# Altium PCB LPCB235R0.PcbDoc (part 6 of 7)
Units mm, origin at the board's own origin, x right, y up, seen from the top; angles counter-clockwise.
Board outline 134 x 120 mm, 6 copper layers (Top Layer, IP1(DGND), MidLayer1, MidLayer2, IP2(D3V3), Bottom Layer), stack 1.623 mm thick; 472 components, 425 nets, 2110 pads, 1126 vias.
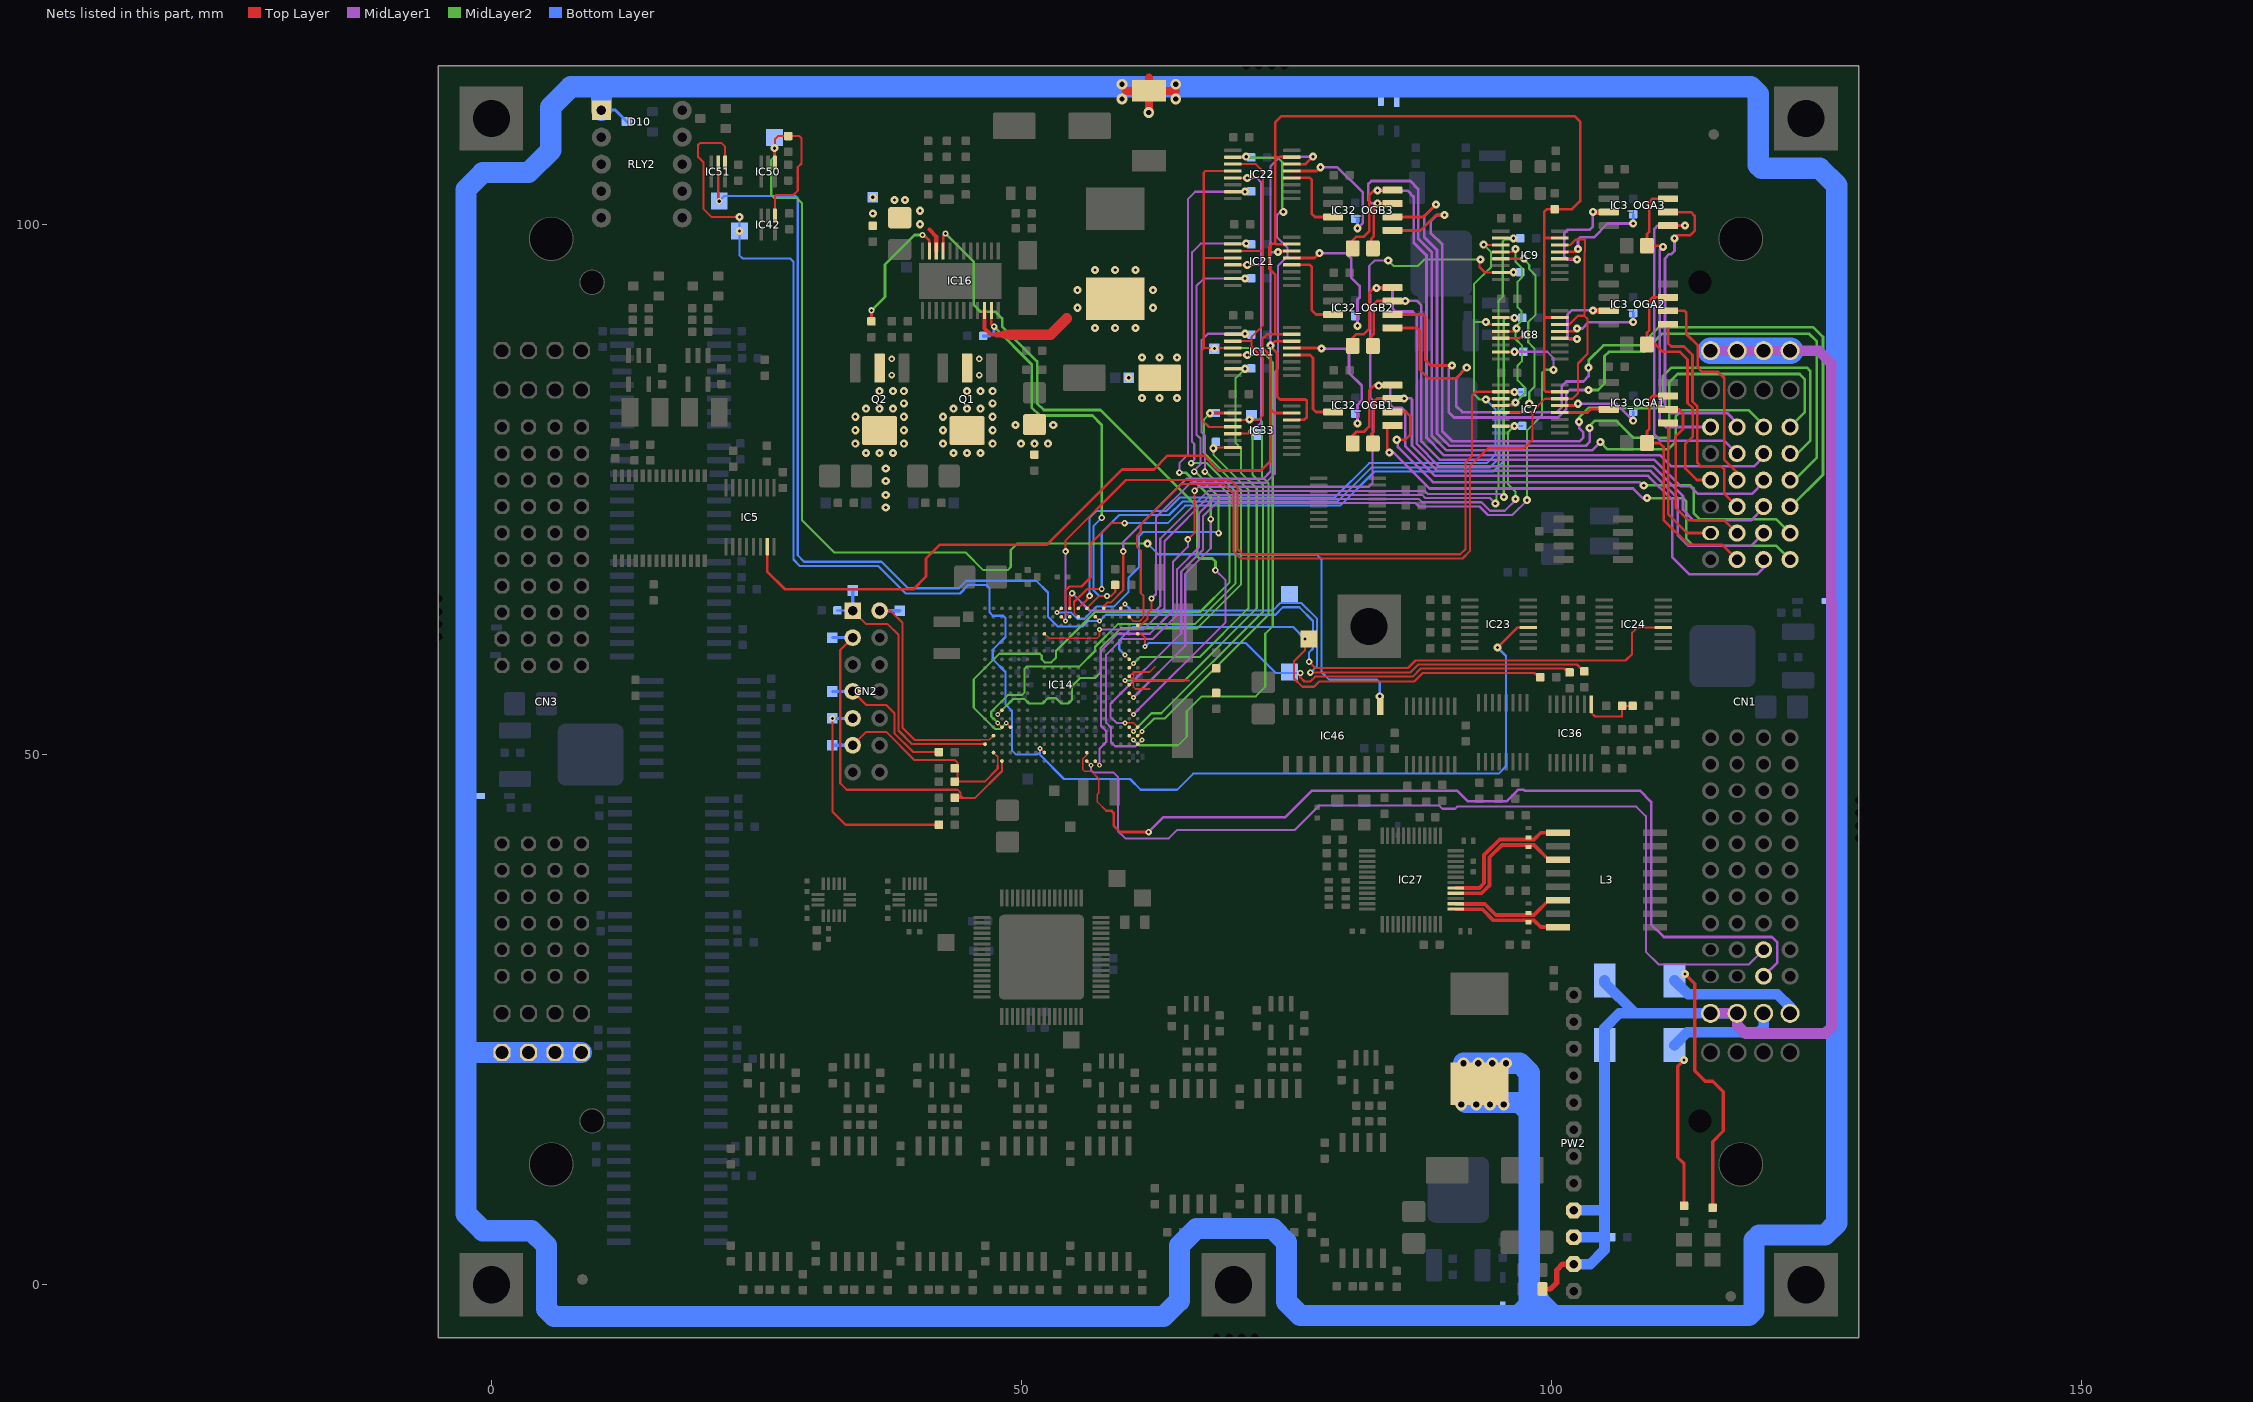
[diagram p10: the nets of this part, all layers, seen from the top]

## Via types
v1: diameter 0.762, hole 0.3, Top Layer to Bottom Layer, tented both sides, 756 vias
v2: diameter 0.61, hole 0.3, Top Layer to Bottom Layer, tented both sides, 135 vias
v3: diameter 0.457, hole 0.2, Top Layer to Bottom Layer, tented both sides, 98 vias
v4: diameter 1.016, hole 0.5, Top Layer to Bottom Layer, tented both sides, 57 vias
v5: diameter 0.6, hole 0.3, Top Layer to Bottom Layer, 30 vias
v6: diameter 0.559, hole 0.3, Top Layer to Bottom Layer, tented both sides, 24 vias
v7: diameter 0.6, hole 0.3, Top Layer to Bottom Layer, tented both sides, 18 vias
v8: diameter 1.1, hole 0.6, Top Layer to Bottom Layer, 8 vias

## Nets (pads, with @x,y where several pads share a name; then routed paths per layer and width w, separated by ;. In a path a pad name is that pad's centre, name@x,y a point inside that pad or via, vN(x,y) a via of type N, cw(c..) or ccw(c..) an arc to the next point about the centre after c; other vN are vias at no path point) (continued)
OPTONCDTA_GRY1: CN1.2B_A IC3_OGA1.6 | length 17.5
  Top Layer w0.25: IC3_OGA1.6@111,82.565 112.035,82.565 112.4,82.2 112.4,80.7 111.7,80 111.7,73.3 112.9,72.1 116.3,72.1 CN1.2B_A@117.5,70.9
OPTONCDTA_GRY2: CN1.2D_A IC3_OGA2.6 | length 20.4
  Top Layer w0.25: IC3_OGA2.6@111,91.865 112.535,91.865 112.7,91.7 112.7,89.7 113.797,88.603 113.797,87.599 113.8,87.596 113.8,86.5 114.2,86.1 115.7,86.1 116.297,85.503 116.297,83.899 116.3,83.896 116.3,77.8 117.5,76.6 CN1.2D_A@117.5,75.9
OPTONCDTA_GRY3: CN1.2F_A IC3_OGA3.6 | length 30.7
  Top Layer w0.25: IC3_OGA3.6@111,101.165 113.135,101.165 113.5,100.8 113.5,99.4 113.1,99 111.9,99 v1@111.5,98.6
  MidLayer1 w0.25: v1(111.6,98.7) 111.6,97.5 111.3,97.2 111.1,97.2 110.7,96.8 110.7,82.7 111.2,82.2 116.6,82.2 117.5,81.3 CN1.2F_A@117.5,80.9
OPTONCDTA_PNK1: CN1.1B_A IC3_OGA1.5 | length 13.3
  Top Layer w0.25: IC3_OGA1.5@111,81.295 111,72.7 112.8,70.9 CN1.1B_A@115,70.9
OPTONCDTA_PNK2: CN1.2C_A IC3_OGA2.5 | length 21.7
  Top Layer w0.25: IC3_OGA2.5@111,90.595 111,88.8 111.3,88.5 112.5,88.5 113.3,87.7 113.3,83.31 113.756,82.854 113.756,77.544 114.1,77.2 116,77.2 116.3,76.9 116.3,74.6 CN1.2C_A@117.5,73.4
OPTONCDTA_PNK3: CN1.2E_A IC3_OGA3.5 | length 32.6
  Top Layer w0.25: IC3_OGA3.5@111.005,99.9 v1(112.6,99.9)
  MidLayer1 w0.25: v1(112.6,99.9) 110,99.9 109.7,99.6 109.7,80.2 110.3,79.6 116.3,79.6 CN1.2E_A@117.5,78.4
OPTONCDTA_RX1: IC7.13 R39_OGA1.1 | length 8.5
  Top Layer w0.25: IC7.13@100.775,82.925 102.325,82.925 v1(102.5,83.1)
  MidLayer1 w0.25: v1(102.5,83.1) 106.1,83.1 v1(107.7,81.5)
  Bottom Layer w0.25: v1(107.7,81.5) R39_OGA1.1@107.7,82.35
OPTONCDTA_RX2: IC8.13 R39_OGA2.1 | length 8.1
  Top Layer w0.25: IC8.13@100.775,89.925 102.125,89.925 v1(102.4,90.2)
  MidLayer1 w0.25: v1(102.4,90.2) 102.9,90.2 103.5,90.8 v1(107.7,90.8)
  Bottom Layer w0.25: v1(107.7,90.8) R39_OGA2.1@107.7,91.65
OPTONCDTA_RX3: IC9.13 R39_OGA3.1 | length 9.4
  Top Layer w0.25: IC9.13@100.775,97.425 102.225,97.425 v1(102.5,97.7)
  MidLayer1 w0.25: v1(102.5,97.7) 102.5,98.6 102.7,98.8 104,98.8 105.3,100.1 v1(107.7,100.1)
  Bottom Layer w0.25: v1(107.7,100.1) R39_OGA3.1@107.7,100.95
OPTONCDTA_TX1: IC3_OGA1.3 IC7.12 | length 4.7
  Top Layer w0.25: IC7.12@100.775,82.275 103.375,82.275 103.665,82.565 IC3_OGA1.3@105.4,82.565
OPTONCDTA_TX2: IC3_OGA2.3 IC8.12 | length 8.8
  Top Layer w0.25: IC8.12@100.775,89.275 102.325,89.275 v1(102.4,89.2)
  Top Layer w0.5: v1(103.9,91.9) 103.935,91.865 IC3_OGA2.3@105.4,91.865
  MidLayer1 w0.25: v1(102.4,89.2) 101.7,89.2 101.5,89.4 101.5,91.5 101.9,91.9 v1(103.9,91.9)
OPTONCDTA_TX3: IC3_OGA3.3 IC9.12 | length 11
  Top Layer w0.25: IC9.12@100.775,96.775 102.325,96.775 v1(102.4,96.7)
  Top Layer w0.5: v1(103.9,101.2) 103.935,101.165 IC3_OGA3.3@105.4,101.165
  MidLayer1 w0.25: v1(102.4,96.7) 101.5,96.7 101.2,97 101.2,99.2 101.5,99.5 103.6,99.5 103.9,99.8 v1(103.9,101.2)
OPTONCDTA_YEL1: CN1.2A_A IC3_OGA1.7 R21_OGA1.2 | length 23.2
  Top Layer w0.25: IC3_OGA1.7@111,83.835 109.535,83.835 109.228,83.528 109.228,80.728 109,80.5 R21_OGA1.2@109,79.4 110.2,79.4 110.572,79.028 110.572,72.128 112.9,69.8 116.1,69.8 CN1.2A_A@117.5,68.4
OPTONCDTA_YEL2: CN1.1D_A IC3_OGA2.7 R21_OGA2.2 | length 24.2
  Top Layer w0.25: IC3_OGA2.7@111,93.135 109.535,93.135 109.228,92.828 109.228,90.028 109,89.8 R21_OGA2.2@109,88.7 109.8,88.7 110.5,88 112.1,88 112.828,87.272 112.828,83.177 113.328,82.677 113.328,80.028 112.628,79.328 112.628,76.972 113.7,75.9 CN1.1D_A@115,75.9
OPTONCDTA_YEL3: CN1.1F_A IC3_OGA3.7 R21_OGA3.2 | length 29.2
  Top Layer w0.25: v1(110.5,97.9) 110.4,98 R21_OGA3.2@109,98 109,99.1 109.228,99.328 109.228,102.128 109.535,102.435 IC3_OGA3.7@111,102.435
  MidLayer1 w0.25: v1(110.5,97.9) 110.2,97.6 110.2,81.5 110.8,80.9 CN1.1F_A@115,80.9
OPTONCDTB_GRN1: CN1.3A_A IC32_OGB1.8 R62_OGB1.1 | length 59.5
  Top Layer w0.25: R62_OGB1.1@81.1,79.155 81.1,79.955 81.6,80.455 82.3,80.455 82.8,80.955 82.8,84.355 83.305,84.86 IC32_OGB1.8@85,84.86
  MidLayer1 w0.25: v1(83.7,84.8) 84.6,84.8 84.8,84.6 84.8,83 85.1,82.7 85.9,82.7 86.2,82.4 86.2,79.1 89,76.3 109.1,76.3 111.4,74 111.4,68.605 113.005,67 119.4,67 120,67.6 CN1.3A_A@120,68.4
OPTONCDTB_GRN2: CN1.3C_A IC32_OGB2.8 R62_OGB2.1 | length 63.7
  Top Layer w0.25: R62_OGB2.1@81.1,88.355 81.1,89.155 81.6,89.655 82.3,89.655 82.8,90.155 82.8,93.555 83.305,94.06 IC32_OGB2.8@85,94.06
  MidLayer1 w0.25: v1(83.5,94) 84.8,94 85,93.8 85,92.1 85.3,91.8 86.9,91.8 87.272,91.428 87.272,79.328 89.4,77.2 109.6,77.2 112.4,74.4 112.4,73.1 113.4,72.1 118.8,72.1 120,73.3 CN1.3C_A@120,73.4
OPTONCDTB_GRN3: CN1.3E_A IC32_OGB3.8 R62_OGB3.1 | length 69.2
  Top Layer w0.25: R62_OGB3.1@81.1,97.555 81.1,98.355 81.6,98.855 82.3,98.855 82.8,99.355 82.8,102.755 83.305,103.26 IC32_OGB3.8@85,103.26
  MidLayer1 w0.25: v1(83.6,103.2) 86.4,103.2 87,102.6 87,98.3 88.2,97.1 88.2,79.9 89.872,78.228 110.267,78.228 111.295,77.2 119.1,77.2 120,78.1 CN1.3E_A@120,78.4
OPTONCDTB_GRY1: CN1.4B_A IC32_OGB1.6 | length 47.5
  Top Layer w0.25: IC32_OGB1.6@85,82.315 86.285,82.315 86.7,81.9 86.7,80.2 86.2,79.7 v1(85.4,79.7)
  MidLayer1 w0.25: v1@85.5,79.6 85.5,79 88.8,75.7 108.3,75.7 108.6,75.4 v1(108.7,75.4)
  MidLayer2 w0.25: v1@108.6,75.4 v1(108.7,75.4) 113.1,75.4 113.4,75.1 113.4,72.8 114,72.2 121.2,72.2 CN1.4B_A@122.5,70.9
OPTONCDTB_GRY2: CN1.4D_A IC32_OGB2.6 | length 69.8
  Top Layer w0.25: IC32_OGB2.6@85,91.515 87.885,91.515 88.1,91.3 88.1,87.2 88.6,86.7 v1(90.6,86.7)
  MidLayer1 w0.25: v1(90.6,86.7) 90.3,86.4 90.3,82.3 90.8,81.8 100.6,81.8 101.4,82.6 101.4,84.1 101.7,84.4 v1(103.5,84.4)
  MidLayer2 w0.25: v1(103.5,84.4) 104.4,84.4 105,85 105,87.6 105.4,88 108.7,88 110.4,89.7 124.3,89.7 125,89 125,78 122.9,75.9 CN1.4D_A@122.5,75.9
OPTONCDTB_GRY3: CN1.4F_A IC32_OGB3.6 | length 75.7
  Top Layer w0.25: IC32_OGB3.6@85,100.715 87.915,100.715 v1(89.1,101.9)
  MidLayer1 w0.25: v1(89.1,101.9) 88,100.8 88,98.8 89.2,97.6 89.2,80.3 90.372,79.128 103.228,79.128 103.6,79.5 v1(103.6,80.8)
  MidLayer2 w0.25: v1(103.6,80.8) 103.6,81 104.1,81.5 106.1,81.5 107.7,79.9 111.1,79.9 111.1,85.1 111.9,85.9 123.4,85.9 123.9,85.4 123.9,82.3 CN1.4F_A@122.5,80.9
OPTONCDTB_PNK1: CN1.4A_A IC32_OGB1.5 | length 46.9
  Top Layer w0.25: v1(84.7,78.5) 84.5,78.7 84.5,80.7 84.845,81.045 IC32_OGB1.5@85,81.045
  MidLayer1 w0.25: v1(84.7,78.5) 85.1,78.5 88.5,75.1 107.7,75.1 108.6,74.2 v1(109,74.2)
  MidLayer2 w0.25: v1@109.1,74.2 112.4,74.2 112.7,73.9 112.7,70.4 113.4,69.7 121.2,69.7 CN1.4A_A@122.5,68.4
OPTONCDTB_PNK2: CN1.4C_A IC32_OGB2.5 | length 73.5
  Top Layer w0.25: IC32_OGB2.5@85,90.245 87.355,90.245 87.6,90 87.6,86.3 88.4,85.5 91,85.5 v1(92,86.5)
  MidLayer1 w0.25: v1(92,86.5) 91,85.5 91,82.9 91.6,82.3 100.495,82.3 100.972,82.777 100.972,84.772 101.4,85.2 103,85.2 103.5,85.7 v1(103.5,86.5)
  MidLayer2 w0.25: v1(103.5,86.5) 103.5,87.2 104.9,88.6 108.4,88.6 110.1,90.3 124.7,90.3 125.6,89.4 125.6,76.4 122.6,73.4 CN1.4C_A@122.5,73.4
OPTONCDTB_PNK3: CN1.4E_A IC32_OGB3.5 | length 77.5
  Top Layer w0.25: IC32_OGB3.5@85,99.445 87.645,99.445 89.1,100.9 v1(89.9,100.9)
  MidLayer1 w0.25: v1(89.9,100.9) 89.2,100.9 88.6,100.3 88.6,99.2 89.7,98.1 89.7,80.5 90.644,79.556 102.656,79.556 103,79.9 103,80.4 102.6,80.8 v1(102.6,81.4)
  MidLayer2 w0.25: v1(102.6,81.4) 102.6,81.8 103.5,82.7 109.9,82.7 110.5,83.3 110.5,85.7 111.3,86.5 124.1,86.5 124.4,86.2 124.4,79.6 123.2,78.4 CN1.4E_A@122.5,78.4
OPTONCDTB_RX1: IC11.13 R63_OGB1.1 | length 13.7
  Top Layer w0.25: IC11.13@75.5,88.35 78.25,88.35 v1(78.3,88.3)
  MidLayer1 w0.25: v1(78.3,88.3) 80.5,88.3 80.9,87.9 80.9,86 82.1,84.8 82.1,83.4 81.7,83 v1(81.7,81.25)
  Bottom Layer w0.25: v1(81.7,81.25) R63_OGB1.1@81.7,82.1
OPTONCDTB_RX2: IC21.13 R63_OGB2.1 | length 13.6
  Top Layer w0.25: IC21.13@75.5,96.85 77.65,96.85 v1(78.1,97.3)
  MidLayer1 w0.25: v1(78.1,97.3) 80.6,97.3 81.1,96.8 81.1,95 81.9,94.2 81.9,93.1 81.7,92.9 v1(81.7,90.45)
  Bottom Layer w0.25: v1(81.7,90.45) R63_OGB2.1@81.7,91.3
OPTONCDTB_RX3: IC22.13 R63_OGB3.1 | length 12.2
  Top Layer w0.25: IC22.13@75.5,105.05 77.85,105.05 v1(78.2,105.4)
  MidLayer1 w0.25: v1(78.2,105.4) 79.8,105.4 82.2,103 82.2,100.15 v1(81.7,99.65)
  Bottom Layer w0.25: v1(81.7,99.65) R63_OGB3.1@81.7,100.5
OPTONCDTB_TX1: IC11.12 IC32_OGB1.3 | length 8.9
  Top Layer w0.25: IC11.12@75.5,87.7 77.2,87.7 77.5,87.4 77.5,82.6 77.785,82.315 IC32_OGB1.3@79.4,82.315
OPTONCDTB_TX2: IC21.12 IC32_OGB2.3 | length 8.2
  Top Layer w0.25: IC21.12@75.5,96.2 77.2,96.2 77.4,96 77.4,91.9 77.785,91.515 IC32_OGB2.3@79.4,91.515
OPTONCDTB_TX3: IC22.12 IC32_OGB3.3 | length 7.3
  Top Layer w0.25: IC22.12@75.5,104.4 77.2,104.4 77.4,104.2 77.4,101 77.685,100.715 IC32_OGB3.3@79.4,100.715
OPTONCDTB_YEL1: CN1.3B_A IC32_OGB1.7 R62_OGB1.2 | length 51
  Top Layer w0.25: R62_OGB1.2@83,79.155 83,80.255 83.228,80.483 83.228,83.283 83.535,83.59 IC32_OGB1.7@85,83.59
  MidLayer1 w0.25: v1@86,83.6 86.744,83.6 86.844,83.5 86.844,79.151 89.223,76.772 109.328,76.772 111.9,74.2 111.9,70.7 112.9,69.7 118.8,69.7 CN1.3B_A@120,70.9
  other v1: 86.1,83.6
OPTONCDTB_YEL2: CN1.3D_A IC32_OGB2.7 R62_OGB2.2 | length 55.6
  Top Layer w0.25: R62_OGB2.2@83,88.355 83,89.455 83.228,89.683 83.228,92.483 83.535,92.79 IC32_OGB2.7@85,92.79
  MidLayer1 w0.25: v1(86.2,92.8) 87.3,92.8 87.7,92.4 87.7,79.6 89.5,77.8 109.7,77.8 112.2,75.3 113.1,75.3 113.8,74.6 118.9,74.6 120,75.7 CN1.3D_A@120,75.9
OPTONCDTB_YEL3: CN1.3F_A IC32_OGB3.7 R62_OGB3.2 | length 73.8
  Top Layer w0.25: R62_OGB3.2@83,97.555 83,98.655 83.228,98.883 83.228,101.683 83.535,101.99 IC32_OGB3.7@85,101.99
  MidLayer1 w0.25: v1(83.6,102) 83,102 82.7,102.3 82.7,103.8 83,104.1 86.7,104.1 87.428,103.372 87.428,98.672 88.7,97.4 88.7,80.1 90.1,78.7 103.8,78.7 v1(104.6,79.5)
  MidLayer2 w0.25: v1(104.6,79.5) 105.3,78.8 111,78.8 111.7,79.5 111.7,81.9 112.3,82.5 118.6,82.5 120,81.1 CN1.3F_A@120,80.9
P5V: C64.1 CT10.1 IC16.10 TP16.1 | length 2.3
  Top Layer w0.381: 41.319,99.521 41.965,98.875 IC16.10@41.965,97.495
  other v1: 40.43,100.029 35.985,101.045 40.43,101.299 38.017,102.315 39.033,102.315 35.985,102.569
P5V3: C62.2 CE5.1 CT9.1 IC16.22 L2.2 Q1.2 Q1.4 Q2.2 Q2.4 TP14.1 | length 10.3
  Top Layer w0.381: IC16.22@46.529,91.895 46.529,90.196 47.11,89.615 47.669,89.615
  Top Layer w0.508: 47.669,89.615 48.304,89.615
  Top Layer w0.762: 48.304,89.615 48.939,89.615
  Top Layer w1.016: 48.939,89.615 52.749,89.615 54.273,91.139
  other v1: 37.2,73.3 37.2,74.5 37.2,75.8 37.2,77 35.35,78.439 36.62,78.439 37.89,78.439 43.605,78.439 44.875,78.439 46.145,78.439 34.334,79.328 38.906,79.328 42.589,79.328 47.288,79.328 49.955,79.328 51.225,79.328 52.495,79.328 34.334,80.598 38.906,80.598 42.589,80.598 47.288,80.598 49.447,81.106 53.003,81.106 34.334,81.868 38.906,81.868 42.589,81.868 47.288,81.868 35.35,82.63 36.62,82.63 37.89,82.63 43.605,82.63 44.875,82.63 46.145,82.63 38.906,83.138 47.288,83.138 61.385,83.646 63.036,83.646 64.687,83.646 36.62,84.281 37.89,84.281 38.906,84.281 44.875,84.281 46.145,84.281 47.288,84.281 60.115,85.551 61.385,87.456 63.036,87.456 64.687,87.456 56.94,90.25 58.845,90.25 60.75,90.25 55.289,92.155 62.401,92.155 55.289,93.806 62.401,93.806 56.94,95.711 58.845,95.711 60.75,95.711
  other v2: 37.763,85.805 46.018,85.805 37.763,87.329 46.018,87.329
P12V_HOT: CN3.1H_A CN3.2H_A CN3.3H_A CN3.4H_A D1.2 D2.2 D4.2 D6.2 D7.2 D10.3 D11.2 D12.2 D17.2 L4.2 RLY2.1 | length 558.8
  Top Layer w0.762: 59.861,112.602 59.863,112.6 D4.2@62.02,112.6 ; v4(62.02,110.57) D4.2@62.02,112.6 ; 62.02,113.87 D4.2@62.02,112.6 ; 64.558,112.6 D4.2@62.02,112.6
  Bottom Layer w0.3: RLY2.1@10.4,110.79 11.71,110.79 D10.3@12.8,109.7
  Bottom Layer w2: -2.4,9.4 -2.4,6.7 -0.8,5.1 3.8,5.1 5.2,3.7 5.2,-2.3 5.9,-3 63.4,-3 64.9,-1.5 64.9,3.7 66.5,5.3 73.7,5.3 75,4 75,-1.6 76.3,-2.9 96.9,-2.9 ; -2.4,9.5 -2.4,21.9 ; CN3.1H_A@8.5,21.9 -2.4,21.9 ; RLY2.1@10.39,110.78 10.4,110.79 10.4,113 ; v8(91.7,20.9) 97,20.9 97.9,20 97.9,16.3 ; v8@91.9,17.2 97,17.2 97.9,16.3 ; -2.4,21.9 D11.2@-2.4,59.4 -2.4,103.3 -0.8,104.9 3.5,104.9 5.6,107 5.6,111.1 7.5,113 10.4,113 ; 10.4,113 118.8,113 119.5,112.3 119.5,105.6 119.8,105.3 125.3,105.3 126.9,103.7 126.9,5.8 125.8,4.7 119.6,4.7 119.1,4.2 119.1,-2.4 118.6,-2.9 100.2,-2.9 ; 96.9,-2.9 97.9,-1.9 97.9,-0.6 ; 96.9,-2.9 100.2,-2.9 ; 97.9,-0.6 100.2,-2.9 ; 97.9,-0.6 97.9,16.3
  other v4: 59.48,111.84 64.56,111.84 59.48,113.237 64.56,113.237
  other v8: 91.5,17 92.9,17 94.2,17 95.5,17 93.1,20.9 94.4,20.9 95.7,20.9
P24V_HOT: C71.1 C72.1 CN1.1H_A CN1.2H_A CN1.3H_A CN1.3L_B CN1.4H_A CN1.4L_B D3.1 D9.1 PW2.2 PW2.3 PW2.4 | length 147.3
  Top Layer w0.5: C71.1@99.15,-0.4 99.9,-0.4 100.5,0.2 100.5,1.4 101.04,1.94 PW2.2@102.1,1.94
  MidLayer1 w1: CN1.4L_B@115,25.6 CN1.3L_B@117.5,25.6 117.5,24.5 118.3,23.7 125.8,23.7 126.428,24.328 126.428,64.271 126.4,64.298 126.4,86.9 125.2,88.1 CN1.4H_A@122.5,88.1 CN1.3H_A@120,88.1 CN1.2H_A@117.5,88.1 CN1.1H_A@115,88.1
  Bottom Layer w1: PW2.2@102.1,1.94 103.64,1.94 105,3.3 105,4.5 ; PW2.3@102.1,4.48 104.98,4.48 105,4.5 ; PW2.4@102.1,7.02 104.92,7.02 105,7.1 ; D3.1@105,28.7 105,28.5 107.9,25.6 ; CN1.3L_B@117.5,25.6 CN1.4L_B@115,25.6 107.9,25.6 ; 105,4.5 105,7.1 ; 105,7.1 D9.1@105,22.6 105,24.2 106.4,25.6 107.9,25.6
  Bottom Layer w2.5: CN1.1H_A@115,88.1 CN1.2H_A@117.5,88.1 CN1.3H_A@120,88.1 CN1.4H_A@122.5,88.1
P24V_HOT_A: CN1.1L_B D3.2 R6.2 | length 36.9
  Top Layer w0.3: v1(112.6,29.3) 113.5,28.4 113.5,20.2 114.5,19.2 115.2,19.2 116.2,18.2 116.2,14.5 115.2,13.5 R6.2@115.2,7.25
  Bottom Layer w1: D3.2@111.6,28.7 112.9,27.4 121.3,27.4 122.5,26.2 CN1.1L_B@122.5,25.6
P24V_HOT_B: CN1.2L_B D9.2 R10.2 | length 24.7
  Top Layer w0.3: R10.2@112.5,7.45 112.5,11.4 111.9,12 111.9,20.6 v1(112.5,21.2)
  Bottom Layer w1: D9.2@111.6,22.6 112.8,23.8 119.5,23.8 120,24.3 CN1.2L_B@120,25.6
PI_RX_IN: CN1.2J_B IC14.A7 | length 85.9
  Top Layer w0.152: IC14.A7@56.165,49.395 v3(56.565,48.995)
  MidLayer1 w0.2: v3(56.565,48.995) 56.565,48.535 56.8,48.3 58.7,48.3 59.1,47.9 59.1,42.8 59.8,42.1 63.9,42.1 64.7,42.9 75.8,42.9 78.1,45.2 89.4,45.2 89.7,44.9 90.902,44.9 91.102,45.1 108,45.1 108.9,44.2 108.9,31.4 110.1,30.2 118.6,30.2 CN1.2J_B@120,31.6
PI_TX_OUT: CN1.2K_B IC14.B7 | length 90.8
  Top Layer w0.152: IC14.B7@56.165,50.195 56.165,49.959 55.766,49.56 55.766,49.23 55.798,49.198 55.798,48.602 55.949,48.451 56.57,48.451 57.3,47.721 57.3,46.4 57.169,46.269 57.169,45.531 58,44.7
  Top Layer w0.25: 58,44.7 58.5,44.7 58.7,44.5 58.7,43.3 59.3,42.7 v2(62,42.7)
  MidLayer1 w0.25: v2(62,42.7) 63.4,44.1 74.9,44.1 77.4,46.6 91.1,46.6 92.1,45.6 95.733,45.6 96.817,46.684 97.383,46.684 97.467,46.6 108.336,46.6 109.4,45.536 109.4,34 110.6,32.8 120.8,32.8 121.3,32.3 121.3,30.4 CN1.2K_B@120,29.1
PMIC_ENABLE: IC14.G2 IC16.9 | length 66.8
  Top Layer w0.152: IC14.G2@60.165,54.195 v3(60.565,53.795)
  Top Layer w0.254: IC16.9@42.615,97.495 42.615,98.912 v6(42.843,99.14)
  MidLayer1 w0.203: v3(60.565,53.795) 69.259,62.489 69.259,66.441 v2(68.3,67.4)
  MidLayer2 w0.254: v6(42.843,99.14) 45.51,96.473 45.51,92.409 46.145,91.774 47.542,91.774 48.177,91.139 48.177,90.377 51.479,87.075 51.479,83.138 52.114,82.503 57.448,82.503 66.592,73.359 66.592,68.708 66.8,68.5 68,68.5 68.3,68.2 v2(68.3,67.4)
PMIC_IGN_STATE: IC16.11 R25.2 | length 12.8
  Top Layer w0.254: R25.2@35.858,90.873 v2(35.858,91.901) ; IC16.11@41.315,97.495 41.315,98.509 40.938,98.886 ; 40.938,98.886 40.684,98.886 v6(40.684,99.013) 40.811,99.013 40.938,98.886
  MidLayer2 w0.254: v2(35.858,91.901) 37.128,93.171 37.128,96.219 39.922,99.013 v6(40.684,99.013)
PUSH_INTLK_A: IC14.B12 IC23.12 IC51.1 TP48.1 | length 154.9
  Top Layer w0.152: v3(51.765,50.595) IC14.B12@52.165,50.195
  Top Layer w0.203: IC51.1@22.05,105.825 22.05,107.35 21.7,107.7 19.7,107.7 19.5,107.5 19.5,106.4 20,105.9 20,101.5 20.8,100.7 v1(23.4,100.7) ; v1(94.9,60.1) 96.785,61.985 IC23.12@97.815,61.985
  Bottom Layer w0.203: v1(23.4,100.7) 23.4,97.1 23.7,96.8 28.2,96.8 28.5,96.5 28.5,68.4 29.1,67.8 36.5,67.8 39.1,65.2 44.2,65.2 45,66 46.7,66 47,65.7 47,63.4 47.3,63.1 48.3,63.1 48.5,62.9 48.5,61.1 47.3,59.9 47.3,59 48.5,57.8 48.5,54.742 49.1,54.142 49.1,50.4 49.5,50 51.5,50 51.765,50.265 ; v3(51.765,50.595) 51.765,50.265 ; v1(94.9,60.1) 95.7,59.3 95.7,48.9 95.013,48.213 66.211,48.213 64.687,46.689 61.258,46.689 60.242,47.705 54.019,47.705 51.765,49.959 51.765,50.265
  other v1: 23.4,99.4
PUSH_INTLK_B: IC14.V6 IC24.12 IC51.2 TP49.1 | length 140.6
  Top Layer w0.152: IC14.V6@56.965,62.995 v3(57.365,62.595)
  Top Layer w0.203: IC51.2@21.4,105.825 21.4,102.3 v2(21.5,102.2) ; v2(77.133,58.754) 77.717,58.17 86.455,58.17 87.166,58.881 106.981,58.881 107.6,59.5 107.6,61.5 108.085,61.985 IC24.12@110.515,61.985
  Bottom Layer w0.203: v2(21.5,102.2) 22,102.7 28.7,102.7 28.9,102.5 28.9,68.8 29.5,68.2 36.8,68.2 39.3,65.7 44.1,65.7 44.8,66.4 51.4,66.4 52.5,65.3 52.5,63 53.413,62.087 55.787,62.087 56.295,62.595 v3(57.365,62.595) 57.969,63.199 73.958,63.199 74.659,63.9 76.2,63.9 77.5,62.6 77.5,60.01 77.133,59.643 v2(77.133,58.754)
REAR_SIG_Q2: IC36.1 R67.2 R68.2 | length 5.8
  Top Layer w0.203: IC36.1@103.75,54.775 103.75,53.95 104.1,53.6 106.6,53.6 106.65,53.65 R68.2@106.65,54.6 R67.2@107.65,54.6
REFLECT_0: IC14.W3 R69.1 TP24.1 | length 51.6
  Top Layer w0.152: IC14.W3@59.365,63.795 v3(59.765,64.195)
  Top Layer w0.203: v2(77.26,57.738) 86.658,57.738 87.42,58.5 102.4,58.5 R69.1@103.1,57.8
  Bottom Layer w0.203: v3(59.765,64.195) 60.38,63.58 73.704,63.58 74.424,64.3 76.4,64.3 77.895,62.805 77.895,58.373 v2(77.26,57.738)
REFLECT_1: IC14.T1 R73.1 TP25.1 | length 44.3
  Top Layer w0.203: IC14.T1@60.965,61.395 61.284,61.395 61.665,61.014 v3(61.665,60.195) ; v2(76.3,57.7) 76.3,57.3 76.7,56.9 77.248,56.9 77.705,57.357 86.912,57.357 87.674,58.119 101.181,58.119 R73.1@101.7,57.6
  Bottom Layer w0.203: v3(61.665,60.195) 62.002,60.532 71.164,60.532 73.996,57.7 v2(76.3,57.7)
REFLECT_2: IC14.N2 R74.1 TP26.1 | length 49
  Top Layer w0.152: v3(59.765,59.395) IC14.N2@60.165,58.995
  Top Layer w0.203: v2(76.752,60.913) 76.752,59.852 75.716,58.816 75.716,57.184 76.5,56.4 77.6,56.4 78.1,56.9 87.062,56.9 87.862,57.7 98.4,57.7 R74.1@98.8,57.3
  Bottom Layer w0.203: v3(59.765,59.395) 59.226,59.934 59.226,60.786 60.496,62.056 75.609,62.056 v2(76.752,60.913)
RM48_KGND: C27.2 C28.1 IC14.L2 | length 12.9
  Top Layer w0.152: 62.1,56.195 60.765,56.195 60.565,56.395 60.565,56.795 ; 62.6,58.295 62.1,57.795 60.765,57.795 ; 65.811,56.995 60.765,56.995 ; 60.365,57.195 60.565,57.195 ; 60.365,57.195 IC14.L2@60.165,57.395 60.365,57.595 ; 60.365,57.195 60.565,56.995 ; 60.365,57.595 60.565,57.795 ; 60.365,57.595 60.565,57.595 ; 60.565,56.795 60.565,56.995 ; 60.565,56.795 60.765,56.995 ; 60.565,56.995 60.565,57.195 ; 60.565,56.995 60.765,56.995 ; 60.565,57.195 60.565,57.595 ; 60.565,57.195 60.765,56.995 ; 60.565,57.595 60.565,57.795 ; 60.565,57.595 60.765,57.795 ; 60.565,57.795 60.765,57.795
RM48_NRESET: IC14.W7 IC16.23 R11.1 R24.2 | length 41.1
  Top Layer w0.203: IC14.W7@56.165,63.795 57.347,64.977 58.464,64.977 58.845,65.358 R11.1@58.845,66.005
  Top Layer w0.254: IC16.23@47.165,91.895 47.165,90.627 v2(47.415,90.377)
  MidLayer2 w0.254: v2(47.415,90.377) 50.971,86.821 50.971,82.757 51.733,81.995 56.686,81.995 57.575,81.106 v2(57.575,72.343)
  Bottom Layer w0.203: v2(57.575,72.343) 56.813,71.581 56.813,65.485 57.321,64.977 v6(58.083,64.977)
  Bottom Layer w0.254: R24.2@46.387,89.488 47.034,89.488 47.415,89.869 v2(47.415,90.377)
RM48_NTRST: CN2.2 IC14.D18 TP2.1 | length 23.7
  Top Layer w0.152: 46.145,51.395 46.965,51.395 IC14.D18@47.365,51.795
  Top Layer w0.203: CN2.2@36.62,63.58 37.636,63.58 38.779,62.437 38.779,52.531 39.915,51.395 46.145,51.395
  Bottom Layer w0.305: CN2.2@36.62,63.58 TP2.1@38.525,63.58
RM48_RTCK: CN2.9 R14.2 TP4.1 | length 21.3
  Top Layer w0.203: v2(32.175,53.42) 32.175,44.625 33.413,43.387 R14.2@42.22,43.387
  Bottom Layer w0.305: v2(32.175,53.42) CN2.9@34.08,53.42
RM48_TCK: C26.1 CN2.11 IC14.B18 R18.1 TP5.1 | length 22.9
  Top Layer w0.152: IC14.B18@47.365,50.195 47.765,49.795 47.765,48.975
  Top Layer w0.203: CN2.11@34.08,50.88 35.35,52.15 37.255,52.15 39.922,49.483 43.732,49.483 43.986,49.229 R18.1@43.986,48.975 ; R18.1@43.42,48.721 R18.1@43.986,48.721 ; R18.1@43.986,48.467 43.732,48.721 R18.1@43.986,48.975 ; 47.765,48.975 47.765,48.69 46.526,47.451 C26.1@43.72,47.451 43.986,47.717 R18.1@43.986,48.975
  Bottom Layer w0.305: TP5.1@32.175,50.88 CN2.11@34.08,50.88
RM48_TDI: CN2.3 IC14.A17 R17.1 TP6.1 | length 35.8
  Top Layer w0.203: CN2.3@34.08,61.04 32.912,59.872 32.912,47.288 33.511,46.689 43.986,46.689 44.24,46.435 44.24,45.927 ; R17.1@43.42,45.927 R17.1@43.986,45.927 ; 44.494,45.927 44.24,46.181 R17.1@43.986,45.927 ; IC14.A17@48.165,49.395 48.165,48.455 45.637,45.927 44.24,45.927 ; R17.1@43.986,45.927 44.24,45.927